# Altium PCB Test_SEAx.PcbDoc (part 2 of 2)
Units mil, origin at the board's own origin, x right, y up, seen from the top; angles counter-clockwise.
Board outline 2870.08 x 2716.54 mil, 4 copper layers (Top Layer, GND, Power, Bottom Layer), stack 57.48 mil thick; 71 components, 83 nets, 664 pads, 451 vias.
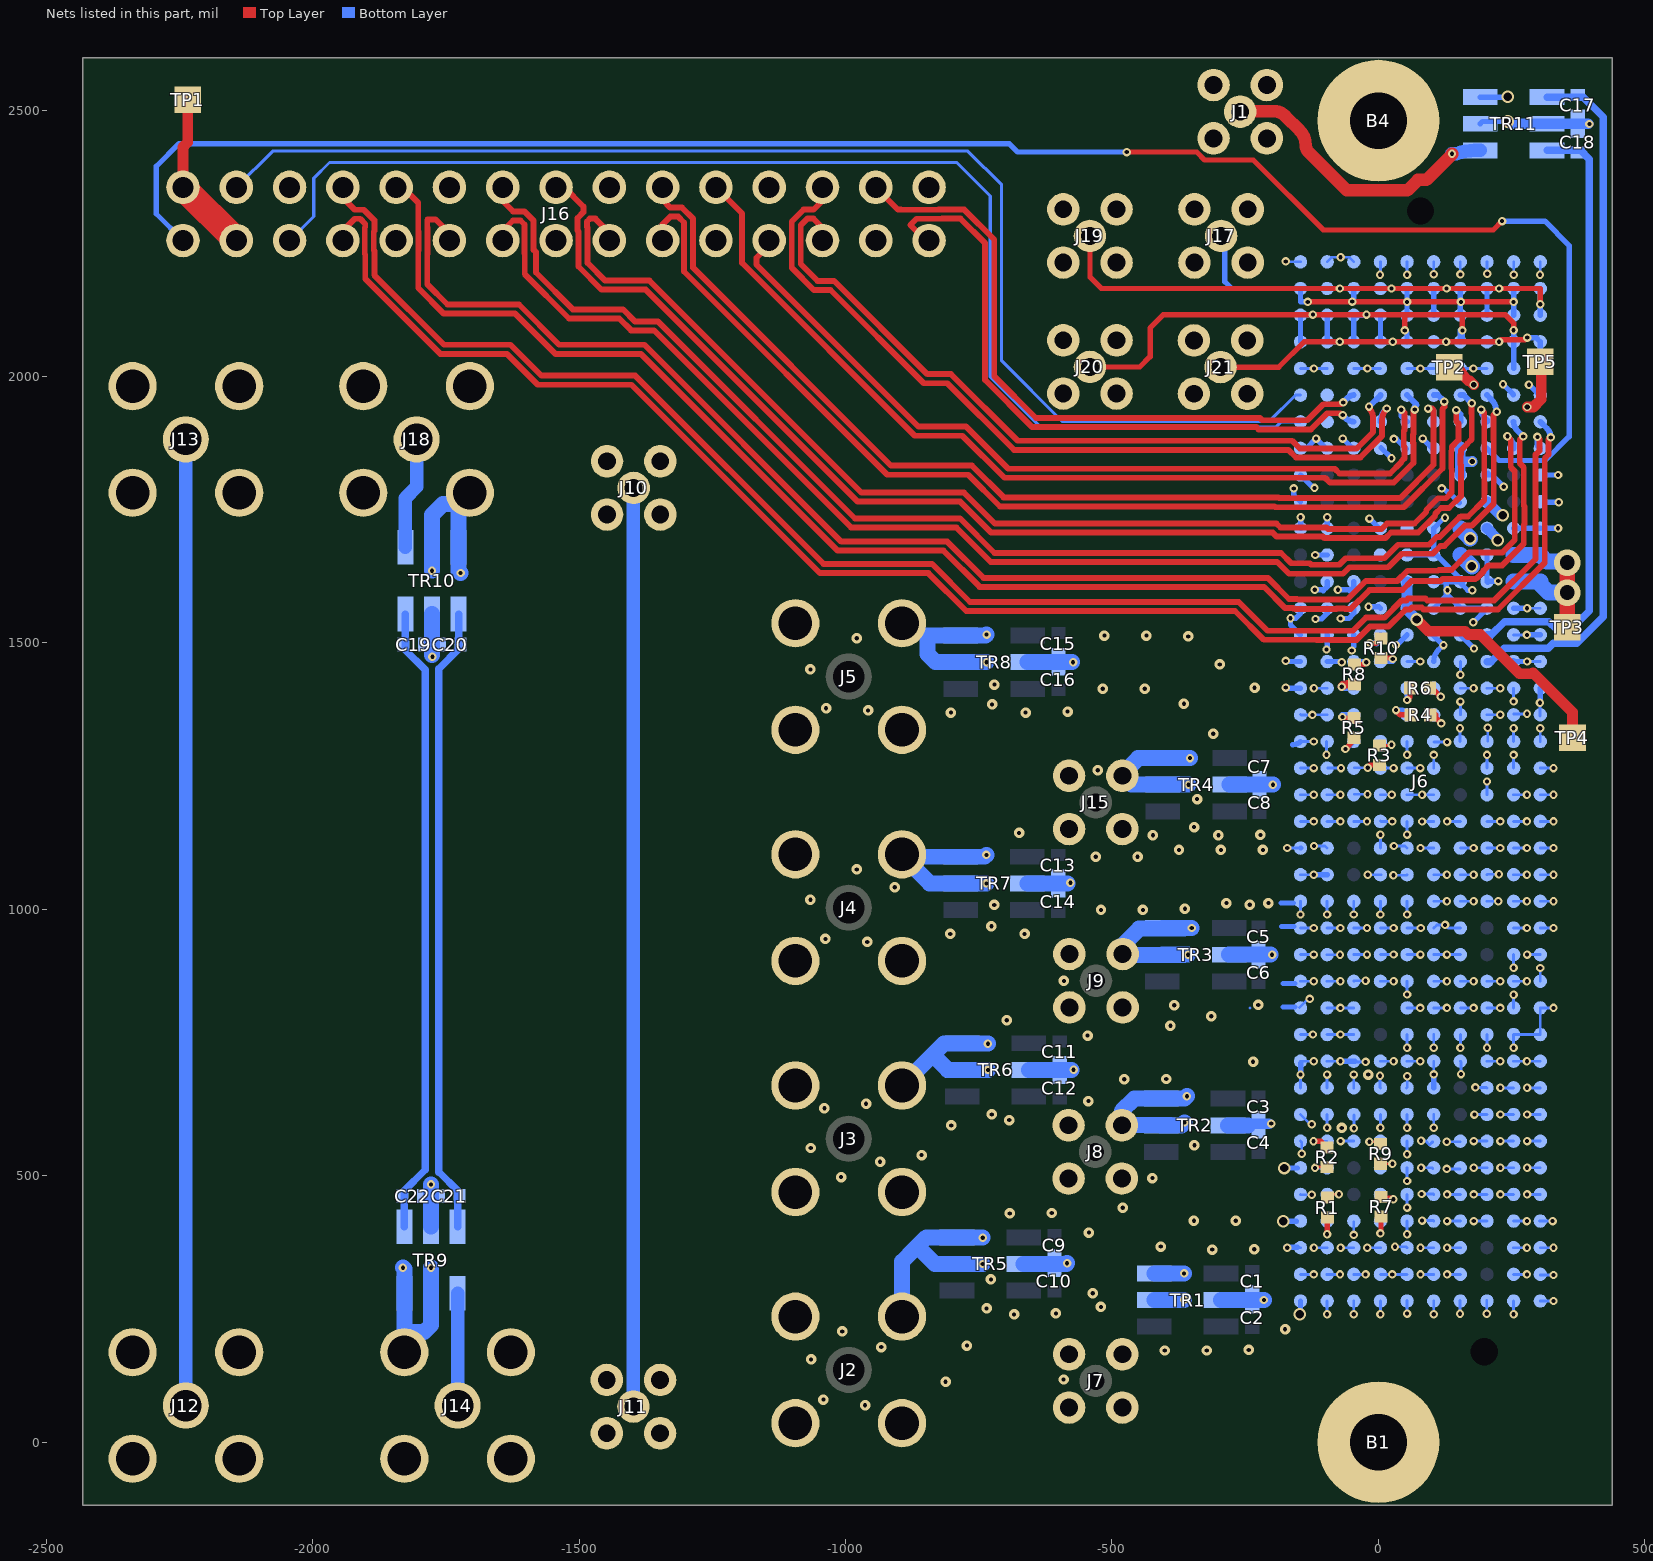
[diagram p4: the nets of this part, all layers, seen from the top]

## Via types
v1: diameter 15.75, hole 7.87, Top Layer to Bottom Layer, tented both sides, 338 vias
v2: diameter 19.68, hole 7.87, Top Layer to Bottom Layer, tented both sides, 96 vias
v3: diameter 23.62, hole 15.75, Top Layer to Bottom Layer, tented both sides, 10 vias
v4: diameter 15.75, hole 10, Top Layer to Bottom Layer, tented both sides, 3 vias
v5: diameter 15.75, hole 7.87, Top Layer to Bottom Layer, 2 vias
v6: diameter 50, hole 28, Top Layer to Bottom Layer, tented both sides, 2 vias

## Nets (pads, with @x,y where several pads share a name; then routed paths per layer and width w, separated by ;. In a path a pad name is that pad's centre, name@x,y a point inside that pad or via, vN(x,y) a via of type N, cw(c..) or ccw(c..) an arc to the next point about the centre after c; other vN are vias at no path point) (continued)
GND: B1.1 B4.1 C1.2 C2.2 C3.2 C4.2 C5.2 C6.2 C7.2 C8.2 C9.2 C10.2 C11.2 C12.2 C13.2 C14.2 C15.2 C16.2 C17.2 C18.2 C19.2 C20.2 C21.2 C22.2 J1.2 J2.2 J3.2 J4.2 J5.2 J6.a1 J6.a2 J6.a3 J6.a4 J6.a5 J6.a6 J6.a7 J6.a8 J6.a9 J6.a10 J6.a11 J6.a12 J6.a13 J6.a14 J6.a15 J6.a16 J6.a17 J6.a18 J6.a19 J6.a20 J6.a21 J6.a22 J6.a23 J6.a24 J6.a25 J6.a26 J6.a27 J6.a30 J6.a31 J6.a32 J6.a35 J6.a40 J6.b1 J6.b2 J6.b3 J6.b4 J6.b5 J6.b6 J6.b7 J6.b8 J6.b9 J6.b10 J6.b11 J6.b12 J6.b13 J6.b14 J6.b15 J6.b16 J6.b17 J6.b18 J6.b19 J6.b20 J6.b21 J6.b22 J6.b23 J6.b24 J6.b25 J6.b26 J6.b27 J6.b30 J6.b35 J6.b40 J6.c1 J6.c4 J6.c5 J6.c6 J6.c7 J6.c8 J6.c9 J6.c10 J6.c11 J6.c12 J6.c13 J6.c16 J6.c17 J6.c18 J6.c19 J6.c20 J6.c21 J6.c22 J6.c23 J6.c24 J6.c27 J6.c28 J6.c29 J6.c32 J6.c36 J6.c40 J6.d1 J6.d2 J6.d3 J6.d4 J6.d5 J6.d6 J6.d7 J6.d10 J6.d11 J6.d12 J6.d13 J6.d14 J6.d15 J6.d16 J6.d17 J6.d18 J6.d19 J6.d22 J6.d23 J6.d24 J6.d25 J6.d26 J6.d27 J6.d28 J6.d31 J6.d36 J6.d40 J6.e1 J6.e2 J6.e3 J6.e4 J6.e5 J6.e6 J6.e7 J6.e8 J6.e9 J6.e10 J6.e11 J6.e12 J6.e13 J6.e14 J6.e15 J6.e16 J6.e17 J6.e18 J6.e19 J6.e20 J6.e21 J6.e22 J6.e23 J6.e24 J6.e25 J6.e26 J6.e27 J6.e28 J6.e29 J6.e30 J6.e33 J6.e36 J6.e40 J6.f1 J6.f2 J6.f3 J6.f4 J6.f5 J6.f6 J6.f7 J6.f8 J6.f9 J6.f10 J6.f11 J6.f12 J6.f13 J6.f14 J6.f15 J6.f16 J6.f17 J6.f18 J6.f19 J6.f20 J6.f21 J6.f22 J6.f25 J6.f26 J6.f29 J6.f33 J6.f36 J6.f40 J6.g1 J6.g2 J6.g3 J6.g4 J6.g7 J6.g8 J6.g9 J6.g10 J6.g13 J6.g14 J6.g15 J6.g16 J6.g17 J6.g18 J6.g19 J6.g20 J6.g21 J6.g26 J6.g27 J6.g30 J6.g33 J6.g36 J6.g40 J6.h1 J6.h2 J6.h3 J6.h4 J6.h7 J6.h8 J6.h9 J6.h10 J6.h11 J6.h12 J6.h13 J6.h14 J6.h15 J6.h16 J6.h19 J6.h20 J6.h21 J6.h22 J6.h25 J6.h26 J6.h27 J6.h28 J6.h33 J6.h36 J6.h40 J6.j1 J6.j2 J6.j3 J6.j4 J6.j7 J6.j8 J6.j9 J6.j10 J6.j11 J6.j12 J6.j13 J6.j14 J6.j15 J6.j16 J6.j17 J6.j18 J6.j19 J6.j20 J6.j21 J6.j22 J6.j23 J6.j24 J6.j25 J6.j26 J6.j27 J6.j28 J6.j29 J6.j30 J6.j33 J6.j36 J6.j40 J6.k1 J6.k2 J6.k3 J6.k4 J6.k5 J6.k6 J6.k7 J6.k8 J6.k9 J6.k10 J6.k11 J6.k12 J6.k13 J6.k14 J6.k15 J6.k16 J6.k17 J6.k18 J6.k19 J6.k20 J6.k21 J6.k22 J6.k23 J6.k24 J6.k25 J6.k26 J6.k27 J6.k30 J6.k31 J6.k32 J6.k33 J6.k36 J6.k40 J7.2 J8.2 J9.2 J10.2 J11.2 J12.2 J13.2 J14.2 J15.2 J16.1 J16.4 J16.7 J16.10 J16.13 J16.16 J16.19 J16.22 J16.25 J17.2 J18.2 J19.2 J20.2 J21.2 R1.1 R2.1 R3.1 R4.1 R5.1 R6.1 R7.1 R8.1 R9.1 R10.1 TR1.1 TR1.2 TR1.5 TR2.1 TR2.2 TR2.5 TR3.1 TR3.2 TR3.5 TR4.1 TR4.2 TR4.5 TR5.1 TR5.2 TR5.5 TR6.1 TR6.2 TR6.5 TR7.1 TR7.2 TR7.5 TR8.1 TR8.2 TR8.5 TR9.1 TR9.2 TR9.5 TR10.1 TR10.2 TR10.5 TR11.1 TR11.2 TR11.5 | length 12225.4
  Top Layer w5.3: v1(-17,564) -0.22,564 R9.1@3.94,559.84
  Top Layer w10: v1(-121.81,565) -107.76,565 R2.1@-96.26,553.5 ; v1(-96.26,390.35) -96,390.61 R1.1@-96,422.06 ; v1(-62,1301) -46.26,1316.74 R5.1@-46.26,1322.05 ; R8.1@-45.28,1459.45 -27.55,1459.45 v1(-23,1464) ; v1(-20.19,1266) -15.33,1270.87 R3.1@1.97,1270.87 ; v1(-16,1500) -15,1499 -4.74,1499 R10.1@4.92,1508.66 ; v1(3.74,392) 4.92,393.18 R7.1@4.92,423.43 ; R6.1@96.26,1415.35 103,1415.35 103,1413 v1(117,1399) ; R4.1@97.24,1365.16 108,1365.16 108,1359 v1(118,1349) ; v3(243,2478.58) 243,2478.15 v3@246.74,2474.41
  Bottom Layer w5: v1(-174,2216) -173.16,2215.16 J6.k40@-146.26,2215.16 ; J6.k36@-146.26,2015.16 v1(-121.06,2015.16) J6.j36@-96.26,2015.16 ; J6.j40@-96.26,2215.16 -87.42,2224 v1(-71,2224) -55.1,2224 J6.h40@-46.26,2215.16 ; J6.h36@-46.26,2015.16 v1(-20.67,2015.16) J6.g36@3.74,2015.16 ; v1(2.95,2190.94) 3.74,2191.73 J6.g40@3.74,2215.16 ; J6.f36@53.74,2015.16 v1(78.74,2015.16) J6.e36@103.74,2015.16 ; v1(53.74,2190.94) J6.f40@53.74,2215.16 ; v1(103.74,2191.93) J6.e40@103.74,2215.16 ; J6.d36@153.74,2015.16 v1(178.15,2015.16) J6.c36@203.74,2015.16 ; v1(153.74,2191.73) J6.d40@153.74,2215.16 ; J6.c40@203.74,2215.16 203.74,2193.33 v1(204.34,2192.73) ; J6.b40@253.74,2215.16 254,2214.9 v1(254,2191) ; v1(303.15,2190.94) 303.74,2191.53 J6.a40@303.74,2215.16
  Bottom Layer w5.3: -241.16,815.2 -241.11,815.16 ; v1(-171.07,365.16) J6.k3@-146.26,365.16 ; v1(-171.07,1115.16) J6.k18@-146.26,1115.16 ; J6.k12@-148,816 -132,832 v1(-129,832) ; J6.k2@-146.26,315.16 v1(-121.46,315.16) ; J6.k5@-146.26,465.16 -145.67,464.57 v1(-125,464.57) ; J6.k7@-146.26,565.16 -144,562.9 v1(-144,541.34) ; J6.k8@-146.26,615.16 -128.1,597 v1(-125,597) ; J6.k9@-146.26,665.16 v1(-146.26,689.96) ; J6.k10@-146.26,715.16 v1(-121.46,715.16) ; J6.k11@-146.26,765.16 v1(-123,765.16) ; J6.k13@-146.26,865.16 v1(-121.46,865.16) ; J6.k14@-146.26,915.16 v1(-121.46,915.16) ; J6.k15@-146.26,965.16 v1(-121.46,965.16) ; v1(-146.26,990.35) J6.k16@-146.26,1015.16 ; J6.k17@-146.26,1065.16 v1(-121.46,1065.16) ; J6.k19@-146.26,1165.16 v1(-121.46,1165.16) ; J6.k20@-146.26,1215.16 v1(-121.46,1215.16) ; J6.k21@-146.26,1265.16 v1(-121.46,1265.16) ; J6.k22@-146.26,1315.16 v1(-121.46,1315.16) ; J6.k23@-146,1366 -145,1365 v1(-124,1365) -123.84,1365.16 J6.j23@-96.26,1365.16 ; v1(-121.81,565) J6.j7@-97,565 ; v1(-121.07,365.16) J6.j3@-96.26,365.16 ; v1(-121.07,1415.16) J6.j24@-96.26,1415.16 ; v1(-121,1119) -100.1,1119 J6.j18@-96.26,1115.16 ; v1(-97.42,1290.35) J6.j22@-97.42,1315.16 ; J6.j2@-97,315.16 J6.j2@-96.26,315.16 v1(-72.19,315.16) ; J6.j14@-97,915 v1(-72.19,915) ; v1(-96.26,240.35) J6.j1@-96.26,265.16 ; v1(-96.26,390.35) J6.j4@-96.26,415.16 ; v1(-96.26,590.35) J6.j8@-96.26,615.16 ; J6.j9@-96.26,665.16 v1(-96.26,689.96) ; J6.j10@-96.26,715.16 v1(-71.46,715.16) ; J6.j11@-96.26,765.16 v1(-71.46,765.16) J6.h11@-46.26,765.16 ; J6.j12@-96.26,815.16 v1(-71.46,815.16) J6.h12@-46.26,815.16 ; J6.j13@-96.26,865.16 v1(-71.46,865.16) ; J6.j15@-96.26,965.16 v1(-71.46,965.16) ; v1(-96.26,990.35) J6.j16@-96.26,1015.16 ; J6.j19@-96.26,1165.16 v1(-71.46,1165.16) ; J6.j20@-96.26,1215.16 v1(-71.46,1215.16) ; J6.j21@-95,1265.16 v1(-70.19,1265.16) ; v1(-71.07,365.16) J6.h3@-46.26,365.16 ; v1(-71.07,565.16) J6.h7@-46.26,565.16 ; v1(-62,1301) -57.55,1301 J6.h22@-47.71,1310.84 ; v1(-46.26,240.35) J6.h1@-46.26,265.16 ; J6.h2@-46.26,315.16 v1(-24,315.16) ; v1(-46.26,389.19) J6.h4@-46.26,414 ; J6.h9@-46.26,665.16 v1(-46.26,689.96) ; J6.h10@-46.26,715.16 -45.91,714.8 -45,713.9 v1(-24,713.9) ; J6.h13@-46.26,865.16 -45.42,866 v1(-24,866) ; J6.h14@-46.26,915.16 v1(-21.46,915.16) ; J6.h15@-46.26,965.16 v1(-21.46,965.16) ; v1(-46.26,990.35) J6.h16@-46.26,1015.16 ; J6.h19@-46.26,1165.16 v1(-21.46,1165.16) ; v1(-46,589.19) J6.h8@-46,614 ; J6.h20@-45.28,1216 v1(-20.47,1216) ; J6.h21@-45,1266 v1(-20.19,1266) ; v1(-21.07,365.16) J6.g3@3.74,365.16 ; v1(-19.88,1065) J6.g17@4.92,1065 ; v1(-17,564) 2.58,564 J6.g7@3.74,565.16 ; v1(2.95,688) 2.95,665.94 J6.g9@3.74,665.16 ; v1(3.74,240.35) J6.g1@3.74,265.16 ; J6.g2@3.74,315.16 v1(26,315.16) J6.f2@53.74,315.16 ; v1(3.74,392) J6.g4@3.74,415.16 ; v1(3.74,590.35) J6.g8@3.74,615.16 ; J6.g10@3.74,715.16 v1(28.54,715.16) ; J6.g13@3.74,865.16 v1(28.54,865.16) ; J6.g14@3.74,915.16 28.35,915.16 v1(28.54,915.35) ; J6.g15@3.74,965.16 v1(28.54,965.16) ; v1(3.74,990.35) J6.g16@3.74,1015.16 ; J6.g18@3.74,1115.16 v1(3.74,1139.96) ; J6.g20@3.74,1215.16 v1(25,1215.16) ; J6.g21@3.74,1265.16 v1(28.54,1265.16) ; J6.g19@4,1166 4.84,1165.16 v1(26,1165.16) ; v1(28,1064) 52.58,1064 J6.f17@53.74,1065.16 ; v1(29,1119) 49.9,1119 J6.f18@53.74,1115.16 ; v1(31,367) 51.9,367 J6.f3@53.74,365.16 ; J6.f9@52.52,665.16 54,666.64 v1(54,687.08) ; v1(53.74,241.58) J6.f1@53.74,265.16 J6.f1@53.74,266.38 ; v1(53.74,390.35) J6.f4@53.74,415.16 ; v1(53.74,440.35) J6.f5@53.74,465.16 ; v1(53.74,490.35) J6.f6@53.74,515.16 ; v1(53.74,540.35) J6.f7@53.74,565.16 ; v1(53.74,590.35) J6.f8@53.74,615.16 ; J6.f10@53.74,715.16 v1(78.54,715.16) ; v1(53.74,740.35) J6.f11@53.74,765.16 ; J6.f12@53.74,815.16 v1(78.54,815.16) ; v1(53.74,840.35) J6.f13@53.74,865.16 ; J6.f14@53.74,915.16 v1(78.74,915.16) ; J6.f15@53.74,965.16 v1(79.33,965.16) ; v1(53.74,990.35) J6.f16@53.74,1015.16 ; v1(53.74,1140.35) J6.f19@53.74,1165.16 ; J6.f20@53.74,1215.16 v1(82,1215.16) J6.e20@103.74,1215.16 ; J6.f21@53.74,1265.16 v1(78.54,1265.16) ; v1(53.74,1290.35) J6.f22@53.74,1315.16 ; J6.f25@53.74,1465.16 v1(78.54,1465.16) ; v1(78.93,315.16) J6.e2@103.74,315.16 ; v1(78.93,365.16) J6.e3@103.74,365.16 ; v1(78.93,1115.16) J6.e18@103.74,1115.16 ; v1(80,515.16) 100.84,515.16 J6.e6@102,514 ; v1(80,566) 88,566 96,558 J6.e7@102,564 ; v1(81,466) 102.9,466 J6.e5@103.74,465.16 ; v1(82,416) 102.9,416 J6.e4@103.74,415.16 ; v1(82,1165) 103.58,1165 J6.e19@103.74,1165.16 ; v1(103.74,240.35) J6.e1@103.74,265.16 ; v1(103.74,590.35) J6.e8@103.74,615.16 ; v1(103.74,690.35) J6.e10@103.74,715.16 ; v1(103.74,740.35) J6.e11@103.74,765.16 ; J6.e12@103.74,815.16 v1(128.54,815.16) ; J6.e13@103.74,865.16 v1(128.54,865.16) ; J6.e14@103.74,915.16 v1(128.54,915.16) J6.d14@153.74,915.16 ; J6.e15@103.74,965.16 109.58,971 v1(125.19,971) 131.03,965.16 J6.d15@153.74,965.16 ; J6.e16@103.74,1015.16 v1(128.54,1015.16) ; J6.e17@103.74,1065.16 v1(128.54,1065.16) ; J6.e21@103.74,1265.16 v1(103.74,1289.96) ; J6.e23@103.74,1365.16 118,1350.9 v1(118,1349) ; J6.e24@103.74,1415.16 117,1401.9 v1(117,1399) ; J6.e22@104,1314 v1(128.81,1314) ; v1(128.19,513) J6.d6@153,513 ; v1(128.19,564) J6.d7@153,564 ; v1(128.93,315.16) J6.d2@153.74,315.16 ; v1(128.93,365.16) J6.d3@153.74,365.16 ; v1(128.93,415.16) J6.d4@153.74,415.16 ; v1(128.93,465.16) J6.d5@153.74,465.16 ; v1(128.93,1165.16) J6.d19@153.74,1165.16 ; v1(153,241.19) J6.d1@153,266 ; J6.d22@153,1315 v1(153,1339.81) ; J6.d10@153.74,715.16 155,713.9 v1(155,691) ; v1(153.74,740.35) J6.d11@153.74,765.16 ; J6.d12@153.74,815.16 v1(178.54,815.16) ; J6.d13@153.74,865.16 v1(178.54,865.16) ; J6.d16@153.74,1015.16 v1(178.54,1015.16) ; J6.d17@153.74,1065.16 v1(178.54,1065.16) ; J6.d18@153.74,1115.16 v1(178.54,1115.16) ; J6.d23@153.74,1365.16 v1(153.74,1389.96) ; J6.d24@153.74,1415.16 v1(178.54,1415.16) ; v1(153.74,1440.35) J6.d25@153.74,1465.16 ; v1(178.93,415.16) J6.c4@203.74,415.16 ; v1(178.93,465.16) J6.c5@203.74,465.16 ; v1(178.93,515.16) J6.c6@203.74,515.16 ; v1(178.93,565.16) J6.c7@203.74,565.16 ; v1(180,615) 203.58,615 J6.c8@203.74,615.16 ; v1(182,665.94) 202.95,665.94 J6.c9@203.74,665.16 ; v1(203.14,241.19) J6.c1@203.14,266 ; J6.c10@203.74,715.16 v1(228.54,715.16) ; v1(203.74,740.35) J6.c11@203.74,765.16 ; J6.c12@203.74,815.16 v1(228.54,815.16) ; J6.c13@203.74,865.16 v1(228.54,865.16) ; J6.c16@203.74,1015.16 v1(225,1015.16) ; J6.c17@203.74,1065.16 204.58,1066 v1(226,1066) ; J6.c18@203.74,1115.16 v1(228.54,1115.16) ; J6.c19@203.74,1165.16 v1(228.54,1165.16) ; J6.c20@203.74,1215.16 v1(203.74,1239.96) ; J6.c21@203.74,1265.16 v1(203.74,1289.96) ; J6.c23@203.74,1365.16 v1(228.54,1365.16) ; J6.c24@203.74,1415.16 v1(228.54,1415.16) ; J6.c22@205,1316 v1(205,1340.81) ; v1(228.93,465.16) J6.b5@253.74,465.16 ; v1(228.93,515.16) J6.b6@253.74,515.16 ; v1(228.93,565.16) J6.b7@253.74,565.16 ; v1(228.93,615.16) J6.b8@253.74,615.16 ; v1(228.93,665.16) J6.b9@253.74,665.16 ; v1(253.74,240.35) J6.b1@253.74,265.16 ; J6.b2@253.74,315.16 v1(278.54,315.16) ; J6.b3@253.74,365.16 v1(278.54,365.16) ; J6.b4@253.74,415.16 v1(278.54,415.16) ; J6.b10@253.74,715.16 v1(278.54,715.16) J6.a10@303.74,715.16 ; v1(253.74,740.35) J6.b11@253.74,765.16 J6.a11@303.74,765.16 J6.a12@303.74,815.16 v1(328.54,815.16) ; J6.b12@253.74,815.16 v1(253.74,839.96) ; J6.b13@253.74,865.16 v1(278.54,865.16) ; v1(253.74,890.35) J6.b14@253.74,915.16 ; J6.b15@253.74,965.16 v1(278.54,965.16) ; J6.b16@253.74,1015.16 v1(278.54,1015.16) ; J6.b17@253.74,1065.16 v1(278.54,1065.16) ; J6.b18@253.74,1115.16 v1(278.54,1115.16) ; J6.b19@253.74,1165.16 v1(278.54,1165.16) ; J6.b20@253.74,1215.16 v1(278.54,1215.16) ; J6.b21@253.74,1265.16 v1(253.74,1289.96) ; J6.b22@253.74,1315.16 v1(253.74,1339.96) ; v1(253.74,1390.35) J6.b24@253.74,1415.16 ; J6.b26@253.74,1515.16 v1(278.54,1515.16) ; J6.b23@254,1367 v1(278.81,1367) ; v1(278.93,465.16) J6.a5@303.74,465.16 ; v1(278.93,515.16) J6.a6@303.74,515.16 ; v1(278.93,565.16) J6.a7@303.74,565.16 ; v1(278.93,615.16) J6.a8@303.74,615.16 ; v1(278.93,665.16) J6.a9@303.74,665.16 ; v1(278.93,915.16) J6.a14@303.74,915.16 ; v1(278.93,1465.16) J6.a25@303.74,1465.16 ; v1(278.93,1565.16) J6.a27@303.74,1565.16 ; J6.a4@302,415.16 J6.a4@303.74,415.16 v1(326.81,415.16) ; J6.a23@303,1363 v1(303,1387.81) ; J6.a1@303.74,265.16 v1(328.54,265.16) ; J6.a2@303.74,314 v1(328.54,314) ; J6.a3@303.74,365.16 v1(328.54,365.16) ; J6.a13@303.74,865.16 v1(303.74,889.96) ; J6.a15@303.74,965.16 v1(328.54,965.16) ; J6.a16@303.74,1015.16 v1(328.54,1015.16) ; J6.a17@303.74,1065.16 v1(328.54,1065.16) ; J6.a18@303.74,1115.16 v1(328.54,1115.16) ; J6.a19@303.74,1165.16 v1(328.54,1165.16) ; J6.a20@303.74,1215.16 v1(328.54,1215.16) ; J6.a21@303.74,1265.16 v1(328.54,1265.16) ; J6.a22@303.74,1315.16 v1(303.74,1339.96)
  Bottom Layer w10: -182.26,1012 -160,1012 ; -181.3,968 -159.04,968 ; -179.16,817 J6.k12@-156.9,817 ; -178.98,861 J6.k13@-156.71,861 ; v3(-178.65,414.65) -154.07,414.65 J6.k4@-153.91,414.8 ; v3(-177,514.65) -152.42,514.65 J6.k6@-152.26,514.8 ; v1@-174.24,366 J6.k3@-151.98,366 ; v1@-168.53,1415.16 J6.k24@-146.26,1415.16 ; v1@-168.53,1465.16 J6.k25@-146.26,1465.16 ; -160.98,1309.06 ccw(c-160.98,1329.88) J6.k22@-146.26,1315.16 ; v1(-159,1790) -159,1777.9 J6.k31@-146.26,1765.16 ; v3(-148,240.35) -146.26,242.09 J6.k1@-146.26,265.16 ; J6.k18@-146.26,1115.16 J6.k18@-145.74,1115.16 ; J6.k26@-146.26,1515.16 -165,1533.9 v1(-165,1546.58) -154.94,1546.58 -146.26,1555.26 J6.k27@-146.26,1565.16 ; J6.k30@-146.26,1715.16 -146,1715.42 v1(-146,1736) ; J6.k32@-146.26,1815.16 -122.1,1791 v1(-120,1791) ; J6.k33@-146.26,1865.16 -135.32,1865.16 v1(-117,1883.48) J6.j33@-97.47,1863.95 ; v1@-145.56,688.82 J6.k10@-145.56,711.09 ; v1(-121.46,1065.16) J6.j17@-96.26,1065.16 ; v1(-119.56,1600) -105.52,1600 -103.52,1598 -96.26,1605.26 J6.j28@-96.26,1615.16 ; v1(-118.53,1665.16) J6.j29@-96.26,1665.16 ; v1(-118,1545) -106.52,1545 -96.26,1555.26 J6.j27@-96.26,1565.16 ; J6.j25@-96.26,1465.16 v1@-74,1465.16 ; v1@-96.26,1492.9 J6.j26@-96.26,1515.16 ; J6.j30@-96.26,1715.16 -96,1715.42 v1(-96,1736) ; v1(-76,1600) -55.52,1600 -53.52,1598 -46.26,1605.26 J6.h28@-46.26,1615.16 ; v1(-71,1546) -55.52,1546 -46.26,1555.26 J6.h27@-46.26,1565.16 ; v1@-69.26,714.8 -45.91,714.8 -44.68,714.8 J6.h10@-44.53,714.96 ; v1(-67,1883.48) J6.h33@-47.47,1863.95 ; J6.h25@-46.26,1465.16 v1@-24,1465.16 ; -46.26,1493.74 J6.h26@-46.26,1516 ; v1(-18.7,1568) 0.9,1568 J6.g27@3.74,1565.16 ; v1(-17,1733.48) J6.g30@2.53,1713.95 ; v1(-16,1500) -5.52,1500 -3.52,1498 3.74,1505.26 J6.g26@3.74,1515.16 ; J6.g33@4.95,1866.37 v1(24.47,1846.84) ; v1(29,1883) 33.48,1883 J6.f33@52.53,1863.95 ; v1(33,1496.21) 34.79,1496.21 J6.f26@53.74,1515.16 ; J6.f29@53.74,1665.16 J6.e29@103.74,1665.16 ; v1(83,1883.48) J6.e33@102.53,1863.95 ; J6.e26@102,1515.29 121.29,1496 113.14,1487.85 ccw(c135.83,1465.16) J6.e25@103.74,1465.16 ; J6.e9@103.74,665.16 v1(103.74,690.35) ; J6.e27@103.74,1565.16 127.07,1588.49 ; J6.e28@103.74,1615.16 125.84,1615.16 ; v1(119,1790) 122.58,1790 130.58,1782 140.94,1773.85 J6.d31@151.75,1763.04 ; v1(125,1735) 123.57,1735 J6.e30@103.74,1715.16 J6.e29@103.74,1665.16 ; v1(129.58,1599) 129.58,1591 ; J6.d26@153.74,1515.16 v1(179.37,1489.53) cw(c177.84,1488) v1@180,1488 ; J6.d27@153.74,1565.16 191.05,1565.16 J6.c27@191.55,1564.66 ; J6.d27@154,1566 129.58,1590.42 129.58,1591 ; v1(176,1599) 167.57,1599 153.74,1612.83 J6.d28@153.74,1615.16 ; v1(177.98,1538.79) J6.c27@203.61,1564.42 ; TR11.2@191.14,2474.41 195.31,2478.58 v3(243,2478.58) ; TR11.1@191.14,2524.41 241.57,2524.41 ccw(c241.57,2526.43) v3(243,2525) ; J6.c29@203.74,1665.16 J6.c28@203.74,1615.16 204.95,1613.95 207.12,1616.12 v1(225,1616.12) ; J6.c32@203.74,1815.16 J6.c32@208.94,1815.16 ; J6.c32@204.98,1819.12 J6.c32@208.94,1815.16 ; v1(233.69,1985.53) J6.b35@253.22,1966 ; v1(235,1793) 235,1793.69 213.54,1815.16 J6.c32@208.94,1815.16 ; J6.b25@253,1467 cw(c251.22,1465.22) J6.b25@253.74,1465.16 J6.b25@253.74,1465.16 v1(278.93,1465.16) ; J6.b27@253.74,1565.16 v1(278.93,1565.16) ; J6.b30@253.74,1715.16 J6.a30@303.74,1715.16 ; v1(278.54,1515.16) J6.a26@303.74,1515.16 ; v1(282.43,1984.69) J6.a35@301.96,1965.16 ; v1(303,1387.81) ccw(c301.22,1389.59) 303.74,1389.59 J6.a24@303.74,1415.16 ; J6.a30@315,1715.16 v1(337.26,1715.16) ; J6.a32@315,1815.16 v1(337.26,1815.16) ; J6.a31@316,1764 v1(338.26,1764) ; J6.e29@103.74,1665.16 108.84,1665.16 158.84,1615.16 J6.d28@153.74,1615.16 ; 125.84,1615.16 J6.d28@153.74,1615.16 ; 125.84,1615.16 127.07,1613.93 127.07,1590.33 ; 127.08,1588.5 ccw(c123.93,1591.63) 128.37,1591.63 127.07,1590.33 ; 127.08,1588.5 129.58,1591 ; 127.07,1588.49 127.07,1590.33
  Bottom Layer w20: -244.32,594.82 -242.63,593.13 -237.76,598 v1@-205.35,598 ; v3(243,2478.58) 247.17,2474.41 TR11.5@316.34,2474.41 v5@393.29,2474.41
  Bottom Layer w30: v1(-1830.71,327.63) -1828,324.92 TR9.1@-1828,279.4 J14.2@-1828,206.69 ; J14.2@-1828,169 J14.2@-1828,206.69 ; v1(-1778,327.63) TR9.2@-1778,279.4 -1778,220.03 -1791.34,206.69 J14.2@-1828,206.69 ; TR9.5@-1778,404.6 v1(-1778,484) ; v1@-1776,1477 TR10.5@-1776,1554.4 ; v1(-1776,1635.72) TR10.2@-1776,1679.6 -1776,1740.23 -1755.23,1761 -1726,1761 TR10.1@-1726,1679.6 -1726,1634.93 v1(-1722.44,1631.37) ; J2.2@-894.09,235.9 -894.09,339.05 -871.3,361.85 ; J3.2@-894.09,669.6 -836.61,727.08 ; v1(-742.72,334.65) TR5.2@-790.95,334.65 -832.21,334.65 -859.41,361.85 -871.3,361.85 ; v1(-742.72,383.86) -743.5,384.65 TR5.1@-790.95,384.65 -848.5,384.65 -871.3,361.85 ; v1(-735.75,1048.84) TR7.2@-783.98,1048.84 -842.14,1048.84 -894.09,1100.79 J4.2@-894.09,1103.3 -889.63,1098.84 TR7.1@-783.98,1098.84 -739.27,1098.84 v1(-735.75,1102.36) ; v1(-735.37,1464) TR8.2@-783.6,1464 -830.93,1464 -846.46,1479.53 -846.46,1514 TR8.1@-783.6,1514 -737.12,1514 v1(-735.37,1515.75) ; v1(-732.87,698.82) TR6.2@-781.1,698.82 -808.35,698.82 -836.61,727.08 ; v1(-732.87,748.03) -733.66,748.82 TR6.1@-781.1,748.82 -814.88,748.82 -836.61,727.08 ; TR5.5@-665.75,334.65 -585.58,334.65 v1(-584.22,336) ; TR7.5@-658.78,1048.84 v1@-583.78,1048.84 ; TR8.5@-658.4,1464 v1@-575,1464 ; TR6.5@-655.91,698.82 v1@-576.18,698.82 ; TR1.2@-420.6,267 -365.03,267 v1(-364.65,267.38) ; TR1.1@-420.6,317 v1(-364.65,317) ; TR2.2@-407.6,594.82 -369.36,594.82 v1(-363.98,600.2) ; TR2.1@-407.6,644.82 -363.98,644.82 v1(-359.37,649.43) ; TR3.2@-405.47,914.97 v1(-357.24,914.97) ; TR3.1@-405.47,964.97 -350.64,964.97 v1(-350.4,965.21) ; TR2.2@-390.6,595 J8.2@-481.49,595 -481.49,621.75 -458.24,645 TR2.1@-390.6,645 ; v1@-364.47,914 -477.86,914 J9.2@-480,916.14 -480,932.97 -448.97,964 -364.47,964 ; v1(-356.24,1234) TR4.2@-404.47,1234 -463.77,1234 J15.2@-480.56,1250.79 -480.56,1254.44 -451,1284 TR4.1@-404.47,1284 v1(-353.63,1284) ; TR1.5@-295.4,267 v5(-215,267) ; TR2.5@-282.4,594.82 -244.32,594.82 ; TR3.5@-280.27,914.97 v1@-203,914.97 ; TR4.5@-279.27,1234 v1(-198,1234)
  other v1: -201.22,598 -572,699 -199.61,915 -578,1050 -173.76,1416.32 -573,1464 -68.76,1464 -173.76,1466.32 -1775.39,1474 -50.02,1485.9 -97.42,1487.66 122.14,1496
  other v2: -963.48,69.47 -1041.49,80.14 -812.39,113.77 -590.86,117.82 -1064.66,155.39 -401,172.26 -322.26,172.26 -243.53,173.35 -933.06,178.65 -772.13,181.43 -1006.1,208.04 -175.06,212.24 -683.84,239.9 -605.12,241.71 -735.48,251.13 -520.88,253.9 -536.13,279.66 -727.22,305.62 -311.7,361.74 -232.96,362.29 -408.46,367.21 -543.36,393.64 -346.37,415.64 -267.63,415.64 -691.78,429.39 -613.05,430.29 -479.9,440.26 -424.22,495.94 -1008.42,497.77 -935.08,526.44 -857.35,539 -1065.24,552.27 -345.34,557.48 -68.9,590.08 -801.62,594.62 -692.76,604.65 -725.64,615.3 -1039.68,626.75 -961.39,635.17 -544.18,640.42 -476.82,681.19 -398.08,681.75 -18.93,689.92 -235.37,714.08 -545.73,763.13 -390.45,781.59 -697.35,792.03 -313.77,799.49 -382.99,820.23 -225.51,820.67 -590.3,865.81 -959.14,938.95 -1037.67,944.62 -803.57,954.09 -664.04,954.09 -726.14,968.41 -520.62,998.92 -441.88,998.92 -363.18,1001.41 -721.04,1008.42 -241.38,1008.87 -285.15,1011.92 -206.41,1011.92 -1065.86,1018.14 -907.62,1041.58 -978.9,1075.02 -530.66,1098.75 -451.92,1098.75 -374.26,1111.72 -295.52,1111.75 -216.78,1111.75 -423.22,1139.26 -300.24,1139.26 -221.5,1139.71 -674.33,1143.58 -346,1154.63 -340.38,1206.99 -526.67,1261.09 -309.96,1329.75 -802.37,1369.26 -662.15,1369.26 -583.43,1371.18 -957.81,1373.43 -1036.45,1377.38 -725.14,1384.61 -365.13,1385.92 -517.41,1414.08 -438.67,1414.08 -232.46,1416.09 -720.66,1421.94 -1066.06,1450.34 -297.9,1459.88 -978.9,1508.73 -356.78,1512.16 -514.24,1513.92 -435.5,1513.92
  other v5: 395.97,2474
LO_IN_N: C17.1 J6.c25 TR11.6 | length 1312
  Bottom Layer w14: J6.c25@203.74,1465.16 211.3,1465.16 235.9,1489.76 318.53,1489.76 328.12,1499.35 372.12,1499.35 421.97,1549.21 421.97,2487.03 384.59,2524.41 TR11.6@316.34,2524.41